# KiCad board Vollkornbrot.kicad_pcb
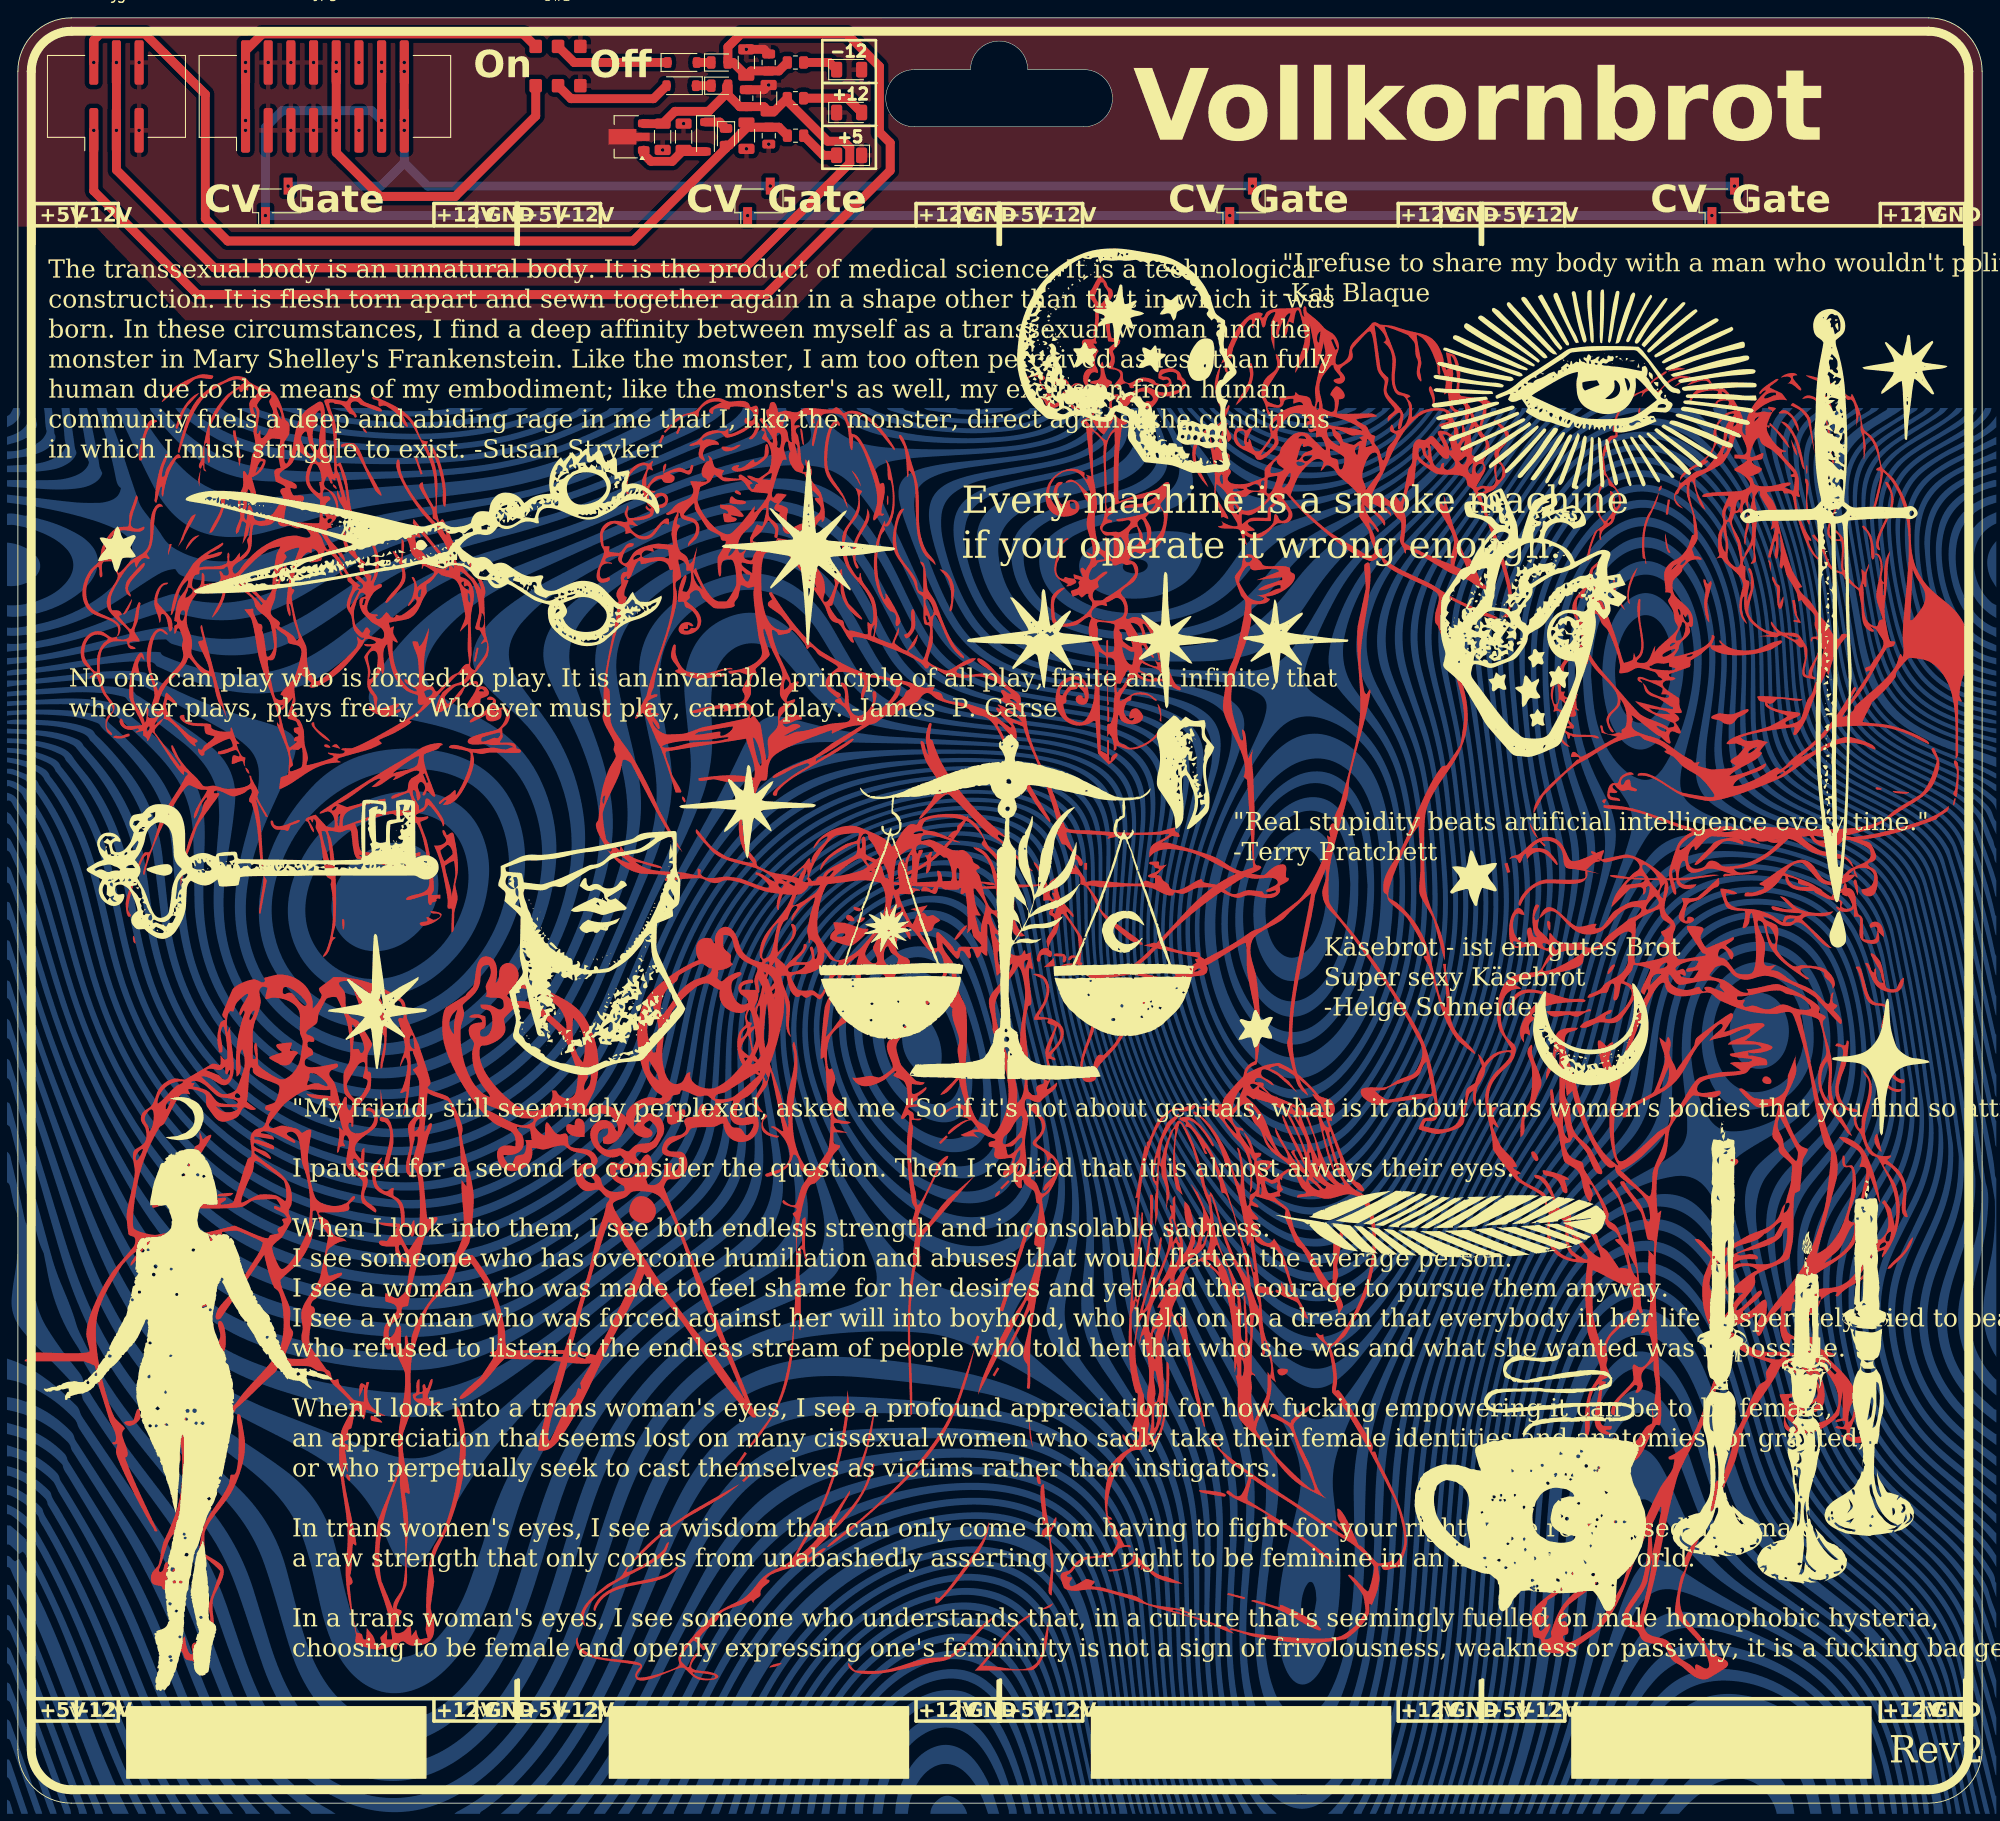
[diagram p0: board, top side]
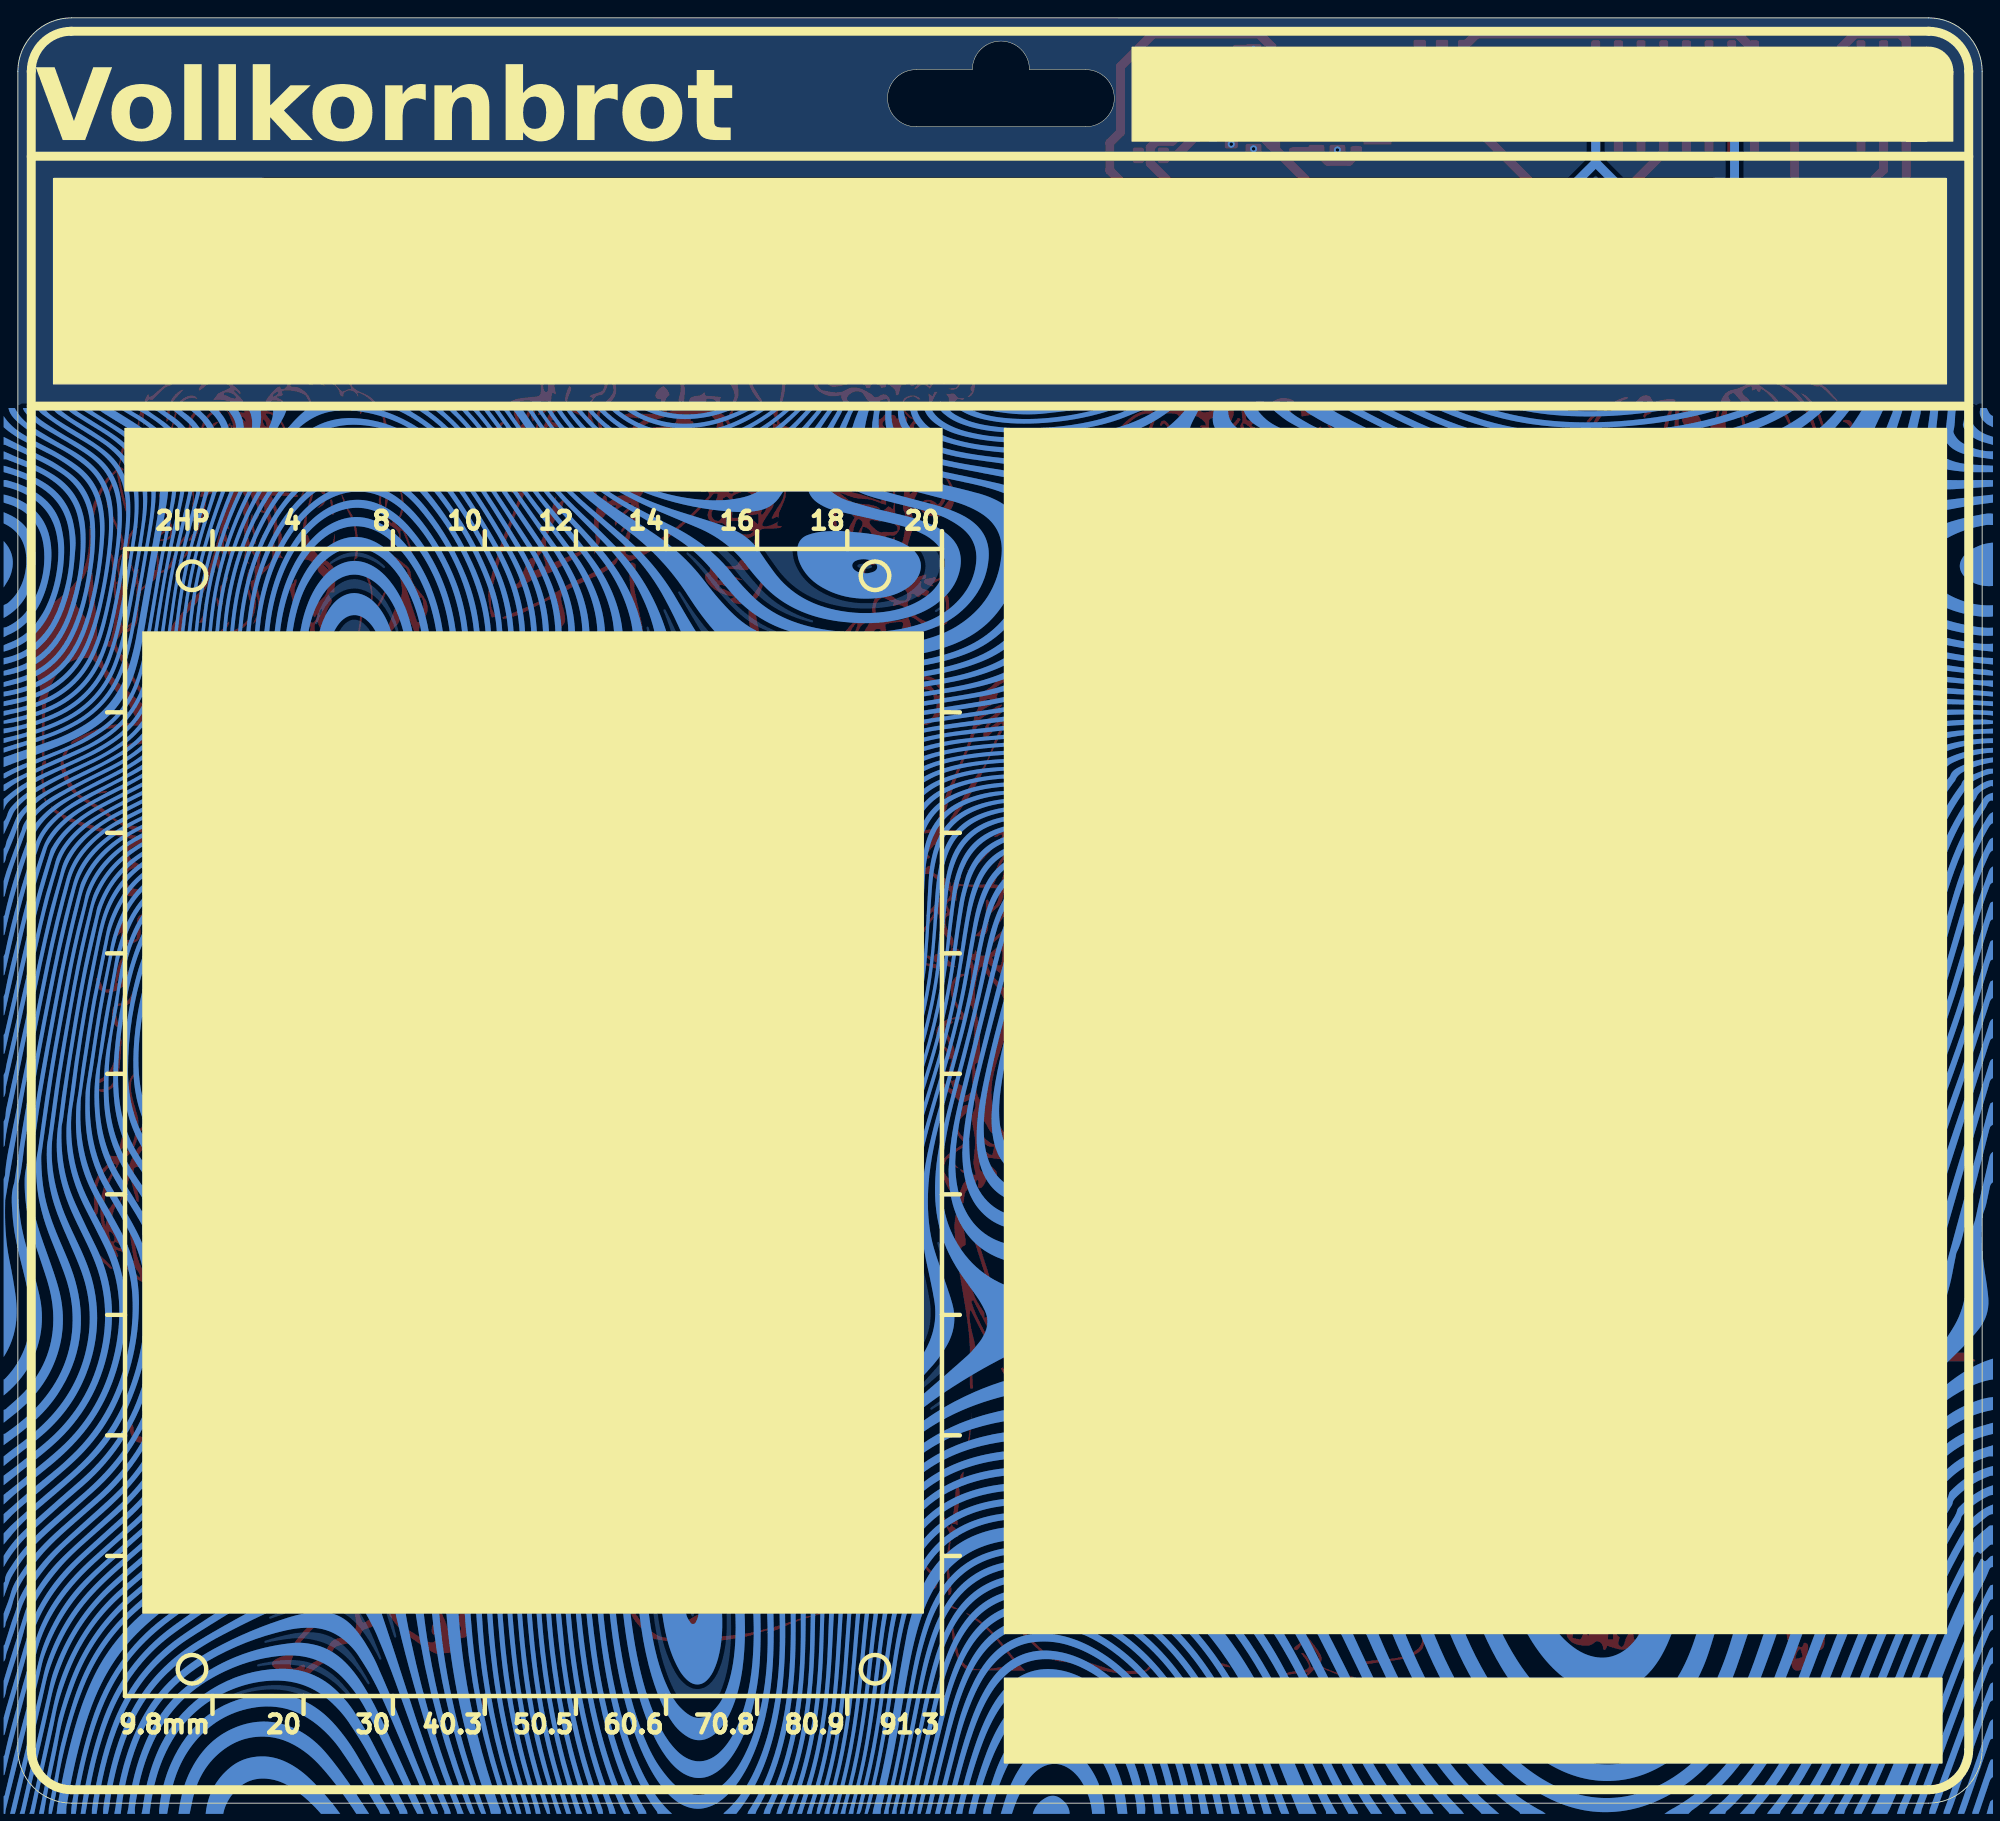
[diagram p1: board, bottom side, seen from below]

Outline 220 x 200 mm; copper layers: Top, Bottom. Coordinates in mm from the lower left corner of the outline.
Outline path: 0,194 arc(1.76,198.24) 6,200 214,200 arc(218.24,198.24) 220,194 220,6 arc(218.24,1.76) 214,0 6,0 arc(1.76,1.76) 0,6 0,194

## Placement (name value [footprint] x y rotation side)
C1  10uF  [C_1206_3216Metric]  81.6 186.8 90 top
C2  10uF  [C_1206_3216Metric]  84.09 191 270 top
C3  10uF  [C_1206_3216Metric]  81.59 195 90 top
C4  100nF  [C_0805_2012Metric]  84.1 186.8 90 top
C5  100nF  [C_0805_2012Metric]  81.59 191 270 top
C6  100nF  [C_0805_2012Metric]  84.09 195 90 top
C7  10uf  [C_1206_3216Metric]  72.21 186.68 90 top
C8  1uf  [C_1206_3216Metric]  74.56 186.68 270 top
D1  SB130  [D_SOD-123]  77.01 186.68 270 top
D2  SB130  [D_SOD-123]  74.3 192.4 180 top
D3  SB130  [D_SOD-123]  74.4 195 0 top
D4  LED  [LED_1206_3216Metric]  93.1 184.6 180 top
D5  LED  [LED_1206_3216Metric]  93.1 189.4 0 top
D6  LED  [LED_1206_3216Metric]  93.1 194.2 0 top
FB1  Ferrite  [D_0805_2012Metric]  79.31 186.68 270 top
FB2  Ferrite  [D_0805_2012Metric]  78.6 192.4 0 top
FB3  Ferrite  [D_0805_2012Metric]  78.59 195 0 top
J1  Conn_01x02_Socket  [PinSocket_1x02_P2.54mm_Vertical_SMD_Pin1Left]  83 179.5 90 top
J2  Conn_01x02_Socket  [PinSocket_1x02_P2.54mm_Vertical_SMD_Pin1Left]  191 179.5 90 top
J3  Conn_01x02_Socket  [PinSocket_1x02_P2.54mm_Vertical_SMD_Pin1Left]  137 179.5 90 top
J4  Conn_01x02_Socket  [PinSocket_1x02_P2.54mm_Vertical_SMD_Pin1Left]  29 179.5 90 top
J5  6Pin  [IDC-Header_2x03_P2.54mm_Vertical_SMD]  11.04 191.2 90 top
JP2  ~  [Breadboard_NoPins]  28.92 95.2 0 top
JP3  ~  [Breadboard_NoPins]  82.92 95.2 0 top
JP4  ~  [Breadboard_NoPins]  136.93 95.2 0 top
JP5  Eurorack_16Pin  [IDC-Header_2x08_P2.54mm_Vertical_SMD]  34.39 191.2 90 top
JP6  ~  [Breadboard_NoPins]  190.93 95.2 0 top
R1  2.2k  [R_0805_2012Metric]  87.1 186.8 0 top
R2  2.2k  [R_0805_2012Metric]  87.09 191 0 top
R3  470r  [R_0805_2012Metric]  87.09 195 0 top
REF**  -  [Retail_Hanger]  109.9 194.2 0 top
SW1  SW_DPDT_x2  [SSSS213202]  60.5 194.6 180 top
U1  L78L05_SOT89  [SOT-89-3]  68.15 186.68 180 top

## Library data of the parts
C1-C8 = -: Description: Unpolarized capacitor; KiLib_Generator: SMD_2terminal_chip_molded; ki_fp_filters: C_*
D1-D3 = -: Datasheet: http://www.diodes.com/_files/datasheets/ds23022.pdf; ki_fp_filters: D*DO?41*
D4-D6 = -: Description: Light emitting diode; KiLib_Generator: SMD_2terminal_chip_molded; ki_fp_filters: LED* LED_SMD:* LED_THT:*
FB1-FB3 = -: Description: Ferrite bead, small symbol; KiLib_Generator: SMD_2terminal_chip_molded; ki_fp_filters: Inductor_* L_* *Ferrite*
J1-J4 = -: Description: Generic connector, single row, 01x02, script generated; KiLib_Generator: connector/pin_header_socket; ki_fp_filters: Connector*:*_1x??_*
J5 = -: KiLib_Generator: connector/pin_header_socket; ki_fp_filters: Connector*:*_2x??_*
JP5 = -: KiLib_Generator: connector/pin_header_socket
R1-R3 = -: KiLib_Generator: SMD_2terminal_chip_molded; ki_fp_filters: R_*
SW1 = -: Description: Switch, dual pole double throw, separate symbols; ki_fp_filters: SW*DPDT*
U1 = -: Datasheet: http://www.st.com/content/ccc/resource/technical/document/datasheet/15/55/e5/aa/23/5b/43/fd/CD00000446.pdf/files/CD00000446.pdf/jcr:content/translations/en.CD00000446.pdf; Description: Positive 100mA 30V Linear Regulator, Fixed Output 5V, SOT-89; ki_fp_filters: SOT?89*

## Footprints (pads in the part's own frame, mm; a bottom-side part is the same pattern mirrored in y, then rotated)
C_0805_2012Metric
  rrect 1x1.45 smd: 1(-0.95,0) 2(0.95,0)
C_1206_3216Metric
  rrect 1.15x1.8 smd: 1(-1.475,0) 2(1.475,0)
D_0805_2012Metric
  rrect 0.975x1.4 smd: 1(-0.938,0) 2(0.938,0)
D_SOD-123
  rrect 0.9x1.2 smd: 1(-1.65,0) 2(1.65,0)
IDC-Header_2x03_P2.54mm_Vertical_SMD
  rrect 5x1.02 smd: 1(-3.8,2.54) 2(3.8,2.54) 3(-3.8,0) 4(3.8,0) 5(-3.8,-2.54) 6(3.8,-2.54)
IDC-Header_2x08_P2.54mm_Vertical_SMD
  rrect 5x1.02 smd: 1(-3.8,8.89) 2(3.8,8.89) 3(-3.8,6.35) 4(3.8,6.35) 5(-3.8,3.81) 6(3.8,3.81) 7(-3.8,1.27) 8(3.8,1.27) 9(-3.8,-1.27) 10(3.8,-1.27) 11(-3.8,-3.81) 12(3.8,-3.81) 13(-3.8,-6.35) 14(3.8,-6.35) 15(-3.8,-8.89) 16(3.8,-8.89)
LED_1206_3216Metric
  rrect 1.25x1.75 smd: 1(-1.4,0) 2(1.4,0)
PinSocket_1x02_P2.54mm_Vertical_SMD_Pin1Left
  rect 1.9x1 smd: 1(-1.65,1.27) 2(1.65,-1.27)
R_0805_2012Metric
  rrect 1.025x1.4 smd: 1(-0.912,0) 2(0.912,0)
SOT-89-3
  rrect 1.3x0.9 smd: 1(-1.95,1.5) 3(-1.95,-1.5)
  custom 4.6x1.733 smd: 2(-1.863,0)
SSSS213202
  rrect 1.4x1.5 smd: 1(2.5,2.2) 2(0,2.2) 3(-2.5,2.2) 4(2.5,-2.2) 5(0,-2.2) 6(-2.5,-2.2)

## Nets
+5V: C1.2 C4.2 FB1.2 J5.2 R1.1
+12V: C2.2 C5.2 C7.2 FB2.2 J5.3 J5.4 R2.1 U1.3
-12V: C3.1 C6.1 FB3.2 J5.1 R3.1
GND: C1.1 C2.1 C3.2 C4.1 C5.1 C6.2 C7.1 C8.1 D4.1 D5.1 D6.2 J5.5 J5.6 JP5.3 JP5.4 JP5.5 JP5.6 JP5.7 JP5.8 SW1.3 SW1.6 U1.2
Net-(D1-A): C8.2 D1.2 U1.1
Net-(D1-K): D1.1 FB1.1
Net-(D2-A): D2.2 SW1.2
Net-(D2-K): D2.1 FB2.1
Net-(D3-A): D3.2 FB3.1
Net-(D3-K): D3.1 SW1.5
Net-(D4-A): D4.2 R1.2
Net-(D5-A): D5.2 R2.2
Net-(D6-K): D6.1 R3.2
Net-(J1-Pin_1): J1.1 J2.1 J3.1 J4.1 JP5.13 JP5.14
Net-(J1-Pin_2): J1.2 J2.2 J3.2 J4.2 JP5.15 JP5.16
Net-(JP5-+12V): JP5.9 JP5.10 SW1.1
Net-(JP5--12V): JP5.1 JP5.2 SW1.4

Pads without a net: JP5 11 12

## Via types
v1: diameter 0.8, hole 0.4, Top to Bottom, 43 vias

## Routing (per net, layer and track width the routed paths; a pad name or vN(x,y) marks a point on that pad's centre or on a via; arc(x,y) is an arc through that point)
+5V: length 104.9
  Top w1: R1.1 85.24,187.75 C4.2 82.12,187.75 C1.2 81.6,187.65 79.69,185.74 FB1.2 79.31,185.41 68.9,175 23.5,175 21,177.5 21,191.44 14.24,198.2 9.2,198.2 8.5,197.5 v1(8.5,195)
+12V: length 135.5
  Top w1: FB2.2 79.54,191.7 77.36,189.53 73.59,189.53 C7.2 70.12,188.15 U1.3 ; 79.39,192.4 79.39,191.53 80.86,190.05 C5.2 83.56,190.05 C2.2 84.7,189.53 R2.1 86.17,190.7 90.7,186.18 92.48,186.18 93.17,185.48 93.17,183.72 81.45,172 22,172 11.04,182.96 v1(11.04,187.4) v1(11.04,195)
-12V: length 147.4
  Top w1: v1(8.5,187.4) 8.5,180.61 20.11,169 83.8,169 97.7,182.9 97.7,186 96.5,187.2 96.5,194.55 92.85,198.2 80.99,198.2 79.53,196.74 FB3.2 80.11,195 C3.1 82.11,194.05 C6.1 85.22,194.05 R3.1
GND: length 5.4
  Top w1: C6.2 83.56,196.47 v1(81.59,196.47) ; v1(84.09,192.47) 83.56,191.95 C5.1
  vias: v1(13.58,195) v1(13.58,187.4) v1(28.04,195) v1(30.58,195) v1(30.58,187.4) v1(33.12,195) v1(33.12,187.4) v1(72.21,185.2) v1(74.56,188.15) v1(81.6,185.32) v1(84.1,185.85)
Net-(D1-A): length 8.3
  Top w1: D1.2 74.74,185.03 C8.2 73.29,183.93 70.9,183.93 70.1,184.72 U1.1
Net-(D1-K): length 2.6
  Top w1: D1.1 78.6,188.32 FB1.1
Net-(D2-A): length 13.4
  Top w1: SW1.2 61.95,190.95 71.2,190.95 D2.2
Net-(D2-K): length 1.7
  Top w1: D2.1 FB2.1
Net-(D3-A): length 1.6
  Top w1: D3.2 FB3.1
Net-(D3-K): length 13
  Top w1: SW1.5 62.3,195 D3.1
Net-(D4-A): length 4.6
  Top w1: R1.2 90.21,184.6 D4.2
Net-(D5-A): length 7.2
  Top w1: D5.2 92.9,191 R2.2
Net-(D6-K): length 4
  Top w1: D6.1 90.9,195 R3.2
Net-(J1-Pin_1): length 193.7
  Top w1: v1(40.74,187.4) v1(40.74,188.5) v1(40.74,194) v1(40.74,195)
  Bottom w1: v1(189.73,177.85) v1(135.73,177.85) v1(81.73,177.85) v1(27.73,177.85) 27.73,187.73 29.6,189.6 39.64,189.6 v1(40.74,188.5)
Net-(J1-Pin_2): length 175.4
  Top w1: v1(43.28,195) v1(43.28,194) v1(43.28,188.5) v1(43.28,187.4)
  Bottom w1: 43.28,183.78 v1(43.28,187.4) ; 43.28,183.78 40.65,181.15 v1(30.27,181.15) ; 43.28,183.78 45.91,181.15 v1(84.27,181.15) v1(138.27,181.15) v1(192.27,181.15)
Net-(JP5-+12V): length 41.6
  Top w1: SW1.1 58,189 49,180 40.56,180 35.66,184.9 v1(35.66,187.4) v1(35.66,188.5) v1(35.66,194) v1(35.66,195)
Net-(JP5--12V): length 42.8
  Top w1: v1(25.5,187.4) v1(25.5,188.5) v1(25.5,194) v1(25.5,195) 25.5,196.32 27.38,198.2 56.6,198.2 SW1.4
unconnected-(JP5-+5V-Pad11):
  vias: v1(38.2,187.4)
unconnected-(JP5-Pad12):
  vias: v1(38.2,195)

## Copper pours and planes (outline as drawn; the poured copper is in the pictures)
GND on Top: 220.01,199.94 0,200 0,176.6 8.6,176.7 18.8,166.1 85.6,166.1 96.1,176.7 220,176.7
GND on Bottom: 0,156.5 0,200 220.01,199.94 220,156.5
(no net) on Bottom: 208.1,140.5 116.5,140.5 116.5,11.9 208.1,11.9

Small or netless copper shapes (teardrops, artwork), in the pictures only: 227 on Top, 165 on Bottom

## Text on the board
B.Silkscreen: 91.3 | 80.9 | 70.8 | 60.6 | 50.5 | 40.3 | 30 | 20 | 9.8mm | 18 | 16 | 14 | 12 | 10 | 8 | 4 | 2HP | Vollkornbrot
F.Silkscreen: -12 | +12 | +5 | SCHREIBMASCHINE | Vollkornbrot | +5v | -12v | +12v | GND | The transsexual body is an unnatural body. It is the product of medical science. It is a technological / construction. It is flesh torn apart and sewn together again in a shape other than that in which it was / born. In these circumstances, I find a deep affinity between myself as a transsexual woman and the / monster in Mary Shelley's Frankenstein. Like the monster, I am too often perceived as less than fully / human due to the means of my embodiment; like the monster's as well, my exclusion from human / community fuels a deep and abiding rage in me that I, like the monster, direct against the conditions / in which I must struggle to exist. -Susan Stryker | No one can play who is forced to play. It is an invariable principle of all play, finite and infinite, that / whoever plays, plays freely. Whoever must play, cannot play. -James  P. Carse | {dblquote}My friend, still seemingly perplexed, asked me {dblquote}So if it's not about genitals, what is it about trans women's bodies that you find so attractive?{dblquote} / I paused for a second to consider the question. Then I replied that it is almost always their eyes. / When I look into them, I see both endless strength and inconsolable sadness. / I see someone who has overcome humiliation and abuses that would flatten the average person. / I see a woman who was made to feel shame for her desires and yet had the courage to pursue them anyway. / I see a woman who was forced against her will into boyhood, who held on to a dream that everybody in her life desperately tried to beat out of her, / who refused to listen to the endless stream of people who told her that who she was and what she wanted was impossible. / When I look into a trans woman's eyes, I see a profound appreciation for how fucking empowering it can be to be female, / an appreciation that seems lost on many cissexual women who sadly take their female identities and anatomies for granted, / or who perpetually seek to cast themselves as victims rather than instigators. / In trans women's eyes, I see a wisdom that can only come from having to fight for your right to be recognised as female, / a raw strength that only comes from unabashedly asserting your right to be feminine in an inhospitable world. / In a trans woman's eyes, I see someone who understands that, in a culture that's seemingly fuelled on male homophobic hysteria, / choosing to be female and openly expressing one's femininity is not a sign of frivolousness, weakness or passivity, it is a fucking badge of courage.{dblquote} -Julia Serrano | {dblquote}Real stupidity beats artificial intelligence every time.{dblquote} / -Terry Pratchett | {dblquote}I refuse to share my body with a man who wouldn't politically defend it{dblquote} / -Kat Blaque | Käsebrot - ist ein gutes Brot / Super sexy Käsebrot / -Helge Schneider | Every machine is a smoke machine / if you operate it wrong enough. | Rev2 | CV | Gate | On | Off
